# Allegro board 038RT-9068CJK8E-A100_0921.brd (continued)
## Placement (name value [footprint] x y rotation side) (continued)
NOREF#3813  -  []  636.29 356.16 0 top
NOREF#3814  -  []  280.89 272.21 0 top
NOREF#3815  -  []  288.07 263.45 90 top
NOREF#3816  -  []  187.57 282.86 90 top
NOREF#3817  -  []  411.29 261.03 90 top
NOREF#3818  -  []  197.76 21.33 90 top
NOREF#3819  -  []  100.6 42.16 0 top
NOREF#3820  -  []  593.97 200.62 0 top
NOREF#3821  -  []  288.89 260.98 0 top
NOREF#3822  -  []  355.4 270.11 90 top
NOREF#3823  -  []  436.2 280.96 0 top
NOREF#3824  -  []  25.22 390.94 0 top
NOREF#3825  -  []  594.79 181.71 90 top
NOREF#3826  -  []  483.33 426.36 0 top
NOREF#3827  -  []  577.38 149.4 90 top
NOREF#3828  -  []  232.2 203 0 top
NOREF#3829  -  []  -15.54 226.48 0 top
NOREF#3830  -  []  303.14 201.84 90 top
NOREF#3831  -  []  242.71 261.95 90 top
NOREF#3832  -  []  402.9 271 90 top
NOREF#3833  -  []  74.45 186.22 90 top
NOREF#3834  -  []  602.8 262.2 90 top
NOREF#3835  -  []  594.72 164.08 0 top
NOREF#3836  -  []  594.34 201.85 90 top
NOREF#3837  -  []  330.29 216.51 90 top
NOREF#3838  -  []  437.41 279.66 90 top
NOREF#3839  -  []  128.53 52.62 90 top
NOREF#3840  -  []  397.27 209.42 0 top
NOREF#3841  -  []  169.25 214.96 0 top
NOREF#3842  -  []  90.44 42.16 0 top
NOREF#3843  -  []  23.16 409.42 0 top
NOREF#3844  -  []  280.08 191.74 90 top
NOREF#3845  -  []  278.38 185.05 90 top
NOREF#3846  -  []  83.62 230.09 0 top
NOREF#3847  -  []  600.23 182.9 0 top
NOREF#3848  -  []  404.87 205.03 90 top
NOREF#3849  -  []  404.5 260.59 90 top
NOREF#3850  -  []  586.93 325.6 0 top
NOREF#3851  -  []  586.21 254.77 90 top
NOREF#3852  -  []  286.32 255.14 0 top
NOREF#3853  -  []  280.09 268.25 90 top
NOREF#3854  -  []  679.31 242.02 0 top
NOREF#3855  -  []  358.83 210.99 0 top
NOREF#3856  -  []  608.03 210.47 0 top
NOREF#3857  -  []  84.73 179.44 90 top
NOREF#3858  -  []  373.61 206.2 0 top
NOREF#3859  -  []  98.59 261.85 90 top
NOREF#3860  -  []  98.59 204.21 0 top
NOREF#3861  -  []  571.99 153.42 90 top
NOREF#3862  -  []  85.47 229.46 90 top
NOREF#3863  -  []  281.69 270.63 0 top
NOREF#3864  -  []  291.29 261.83 0 top
NOREF#3865  -  []  534.18 198.09 0 top
NOREF#3866  -  []  3.19 144.27 90 top
NOREF#3867  -  []  95.37 264.25 90 top
NOREF#3868  -  []  529.78 198.09 0 top
NOREF#3869  -  []  283.7 269.39 90 top
NOREF#3870  -  []  124.32 309.63 90 top
NOREF#3871  -  []  279.76 435.84 0 top
NOREF#3872  -  []  602.46 291.2 90 top
NOREF#3873  -  []  592.37 263 90 top
NOREF#3874  -  []  -6.71 236.6 0 top
NOREF#3875  -  []  407.27 198.65 90 top
NOREF#3876  -  []  89.71 290.09 0 top
NOREF#3877  -  []  440.32 226.73 0 top
NOREF#3878  -  []  586.91 264.28 0 top
NOREF#3879  -  []  673.94 182.5 90 top
NOREF#3880  -  []  617.08 159.77 90 top
NOREF#3881  -  []  324.92 195.32 90 top
NOREF#3882  -  []  283.67 213.42 0 top
NOREF#3883  -  []  77.86 262.82 0 top
NOREF#3884  -  []  99.04 289.44 90 top
NOREF#3885  -  []  594.39 202.65 90 top
NOREF#3886  -  []  409.3 200.59 90 top
NOREF#3887  -  []  403.09 230.11 90 top
NOREF#3888  -  []  98.22 208.59 90 top
NOREF#3889  -  []  412.89 212.23 90 top
NOREF#3890  -  []  431.53 49.56 0 top
NOREF#3891  -  []  283.29 200.23 0 top
NOREF#3892  -  []  88.6 209.4 90 top
NOREF#3893  -  []  164.39 221.16 90 top
NOREF#3894  -  []  395.53 435.84 0 top
NOREF#3895  -  []  281.27 208.62 0 top
NOREF#3896  -  []  201.75 416.84 0 top
NOREF#3897  -  []  509.48 35.81 90 top
NOREF#3898  -  []  282.91 280.37 90 top
NOREF#3899  -  []  619.49 136.53 90 top
NOREF#3900  -  []  437.41 227.79 90 top
NOREF#3901  -  []  599.17 267.45 90 top
NOREF#3902  -  []  593.61 259.41 0 top
NOREF#3903  -  []  49.36 427.88 0 top
NOREF#3904  -  []  284.64 242.02 90 top
NOREF#3905  -  []  405.69 205.05 90 top
NOREF#3906  -  []  232.75 96.61 90 top
NOREF#3907  -  []  521.24 57.23 90 top
NOREF#3908  -  []  684.26 237.77 90 top
NOREF#3909  -  []  408.89 265.85 90 top
NOREF#3910  -  []  606.37 199.43 90 top
NOREF#3911  -  []  600.01 261.81 0 top
NOREF#3912  -  []  402.07 266.22 0 top
NOREF#3913  -  []  220.9 431.02 90 top
NOREF#3914  -  []  519.43 447.34 90 top
NOREF#3915  -  []  612.96 343.99 90 top
NOREF#3916  -  []  113.22 322.4 90 top
NOREF#3917  -  []  603.99 265.01 0 top
NOREF#3918  -  []  288.87 199.45 90 top
NOREF#3919  -  []  398.68 432.22 90 top
NOREF#3920  -  []  404.91 204.21 0 top
NOREF#3921  -  []  98.17 204.62 0 top
NOREF#3922  -  []  560.46 438.62 0 top
NOREF#3923  -  []  122.18 54.82 90 top
NOREF#3924  -  []  166.78 46.1 90 top
NOREF#3925  -  []  104.07 266.89 90 top
NOREF#3926  -  []  210.01 436.97 90 top
NOREF#3927  -  []  155.98 47.24 90 top
NOREF#3928  -  []  544.43 50.35 90 top
NOREF#3929  -  []  580.88 314.58 0 top
NOREF#3930  -  []  404.91 209.81 0 top
NOREF#3931  -  []  494.78 417.96 90 top
NOREF#3932  -  []  599.6 259.8 90 top
NOREF#3933  -  []  88.33 230.11 0 top
NOREF#3934  -  []  672.31 242.02 0 top
NOREF#3935  -  []  426.57 420.16 90 top
NOREF#3936  -  []  436.21 222.34 0 top
NOREF#3937  -  []  284.87 259.45 90 top
NOREF#3938  -  []  673.94 21.21 0 top
NOREF#3939  -  []  682.83 157.73 90 top
NOREF#3940  -  []  60.63 246.01 90 top
NOREF#3941  -  []  556.62 149.86 90 top
NOREF#3942  -  []  348.72 29.84 90 top
NOREF#3943  -  []  65.5 253.27 0 top
NOREF#3944  -  []  286.57 221.66 0 top
NOREF#3945  -  []  227.8 203 0 top
NOREF#3946  -  []  602.8 211 90 top
NOREF#3947  -  []  572.63 309.63 90 top
NOREF#3948  -  []  343.8 442.9 90 top
NOREF#3949  -  []  625.1 279.17 90 top
NOREF#3950  -  []  59.69 376.57 0 top
NOREF#3951  -  []  125.08 448.42 0 top
NOREF#3952  -  []  633.37 284.63 90 top
NOREF#3953  -  []  97.01 209.83 0 top
NOREF#3954  -  []  51.24 168.38 0 top
NOREF#3955  -  []  89.79 269.83 90 top
NOREF#3956  -  []  607.87 17.54 0 top
NOREF#3957  -  []  280.5 199.8 90 top
NOREF#3958  -  []  373.61 263 90 top
NOREF#3959  -  []  257.73 50.36 90 top
NOREF#3960  -  []  284.47 205.42 0 top
NOREF#3961  -  []  246.53 213.54 0 top
NOREF#3962  -  []  364.78 204.62 0 top
NOREF#3963  -  []  605.57 261.05 90 top
NOREF#3964  -  []  357.48 29.51 0 top
NOREF#3965  -  []  91.56 289.46 90 top
NOREF#3966  -  []  407.7 203 90 top
NOREF#3967  -  []  324.92 218.18 90 top
NOREF#3968  -  []  127.36 153.92 0 top
NOREF#3969  -  []  99.37 265.83 90 top
NOREF#3970  -  []  593.39 253.67 0 top
NOREF#3971  -  []  337.85 30.8 0 top
NOREF#3972  -  []  289.69 211.41 0 top
NOREF#3973  -  []  130.67 319.79 90 top
NOREF#3974  -  []  519.43 438.07 90 top
NOREF#3975  -  []  -2.69 69.04 0 top
NOREF#3976  -  []  171.86 34.29 90 top
NOREF#3977  -  []  66.53 135 0 top
NOREF#3978  -  []  276.81 280.37 90 top
NOREF#3979  -  []  409.71 201.81 0 top
NOREF#3980  -  []  178.5 222.56 90 top
NOREF#3981  -  []  7.76 146.3 90 top
NOREF#3982  -  []  404.89 207.45 90 top
NOREF#3983  -  []  323.86 27.31 90 top
NOREF#3984  -  []  648.43 22.49 90 top
NOREF#3985  -  []  313.95 454.91 0 top
NOREF#3986  -  []  599.21 272.21 0 top
NOREF#3987  -  []  173.01 260.48 0 top
NOREF#3988  -  []  34.34 207.92 90 top
NOREF#3989  -  []  -13.71 271.4 90 top
NOREF#3990  -  []  45.67 270.37 90 top
NOREF#3991  -  []  584.3 240.8 90 top
NOREF#3992  -  []  598.03 309.63 90 top
NOREF#3993  -  []  279.67 211.02 0 top
NOREF#3994  -  []  411.29 209.05 90 top
NOREF#3995  -  []  598.87 44.09 90 top
NOREF#3996  -  []  287.7 263 90 top
NOREF#3997  -  []  66.53 154.05 90 top
NOREF#3998  -  []  412.35 285.56 90 top
NOREF#3999  -  []  86.22 159.77 90 top
NOREF#4000  -  []  91.8 266.99 90 top
NOREF#4001  -  []  488.58 420.16 90 top
NOREF#4002  -  []  290.07 208.62 0 top
NOREF#4003  -  []  339.41 433.78 0 top
NOREF#4004  -  []  292.07 209.85 90 top
NOREF#4005  -  []  366.3 205.49 90 top
NOREF#4006  -  []  162.2 425.5 0 top
NOREF#4007  -  []  89.79 209.83 90 top
NOREF#4008  -  []  388.15 283.37 0 top
NOREF#4009  -  []  519.43 419.02 90 top
NOREF#4010  -  []  370.21 92.61 90 top
NOREF#4011  -  []  235.4 263 90 top
NOREF#4012  -  []  63.82 253.36 0 top
NOREF#4013  -  []  95.8 264.59 90 top
NOREF#4014  -  []  238.67 285.35 90 top
NOREF#4015  -  []  155.98 32 90 top
NOREF#4016  -  []  291.27 209.03 90 top
NOREF#4017  -  []  407.67 267.02 0 top
NOREF#4018  -  []  97.37 263.02 0 top
NOREF#4019  -  []  237.23 204.07 0 top
NOREF#4020  -  []  498.27 276.1 0 top
NOREF#4021  -  []  634.88 197.43 90 top
NOREF#4022  -  []  97.37 207.82 0 top
NOREF#4023  -  []  445.71 21.33 0 top
NOREF#4024  -  []  245.04 271.33 90 top
NOREF#4025  -  []  291.29 201.83 0 top
NOREF#4026  -  []  238.83 201.77 90 top
NOREF#4027  -  []  62.72 331.72 90 top
NOREF#4028  -  []  406.9 203 90 top
NOREF#4029  -  []  96.13 230.41 90 top
NOREF#4030  -  []  337.7 424.48 90 top
NOREF#4031  -  []  12.6 391.36 0 top
NOREF#4032  -  []  611.36 338.45 90 top
NOREF#4033  -  []  96.13 229.19 90 top
NOREF#4034  -  []  282.79 326.54 90 top
NOREF#4035  -  []  106.25 211.18 90 top
NOREF#4036  -  []  88.57 204.62 0 top
NOREF#4037  -  []  409.69 203.43 90 top
NOREF#4038  -  []  -2.69 195.4 0 top
NOREF#4039  -  []  14.75 13.02 90 top
NOREF#4040  -  []  104.9 206.92 90 top
NOREF#4041  -  []  597.61 267.41 0 top
NOREF#4042  -  []  325.22 266.93 0 top
NOREF#4043  -  []  615.48 129.74 0 top
NOREF#4044  -  []  292.07 269.85 90 top
NOREF#4045  -  []  145.8 333.72 0 top
NOREF#4046  -  []  94.1 230.41 90 top
NOREF#4047  -  []  600.37 205.42 0 top
NOREF#4048  -  []  230 263 0 top
NOREF#4049  -  []  88.99 270.63 0 top
NOREF#4050  -  []  503.67 263.68 0 top
NOREF#4051  -  []  365.04 202.32 90 top
NOREF#4052  -  []  65.5 253.27 0 top
NOREF#4053  -  []  46.34 380.04 90 top
NOREF#4054  -  []  157.3 305.22 0 top
NOREF#4055  -  []  407.29 269.03 0 top
NOREF#4056  -  []  582.02 160.02 90 top
NOREF#4057  -  []  683.79 89.79 90 top
NOREF#4058  -  []  129.87 46.88 0 top
NOREF#4059  -  []  435.3 226.73 0 top
NOREF#4060  -  []  28.43 59.06 90 top
NOREF#4061  -  []  92.57 159.77 90 top
NOREF#4062  -  []  392.3 279.22 0 top
NOREF#4063  -  []  598.03 316.87 90 top
NOREF#4064  -  []  357.02 27.91 90 top
NOREF#4065  -  []  363.71 418.39 90 top
NOREF#4066  -  []  281.71 261.81 0 top
NOREF#4067  -  []  119.57 325.6 0 top
NOREF#4068  -  []  290.87 211.02 0 top
NOREF#4069  -  []  400.89 204.23 90 top
NOREF#4070  -  []  88.19 209.83 90 top
NOREF#4071  -  []  412.11 201.83 0 top
NOREF#4072  -  []  529.78 232.05 0 top
NOREF#4073  -  []  600.81 213.01 0 top
NOREF#4074  -  []  246.3 205.49 90 top
NOREF#4075  -  []  603.97 204.25 90 top
NOREF#4076  -  []  458.3 181.22 90 top
NOREF#4077  -  []  59.69 371.17 90 top
NOREF#4078  -  []  90.59 204.23 0 top
NOREF#4079  -  []  594 258.2 90 top
NOREF#4080  -  []  284.44 283.23 90 top
NOREF#4081  -  []  99.69 289.46 90 top
NOREF#4082  -  []  6.8 325.12 90 top
NOREF#4083  -  []  537.38 185.39 90 top
NOREF#4084  -  []  142.91 425.85 0 top
NOREF#4085  -  []  94.61 209.03 0 top
NOREF#4086  -  []  357.85 225.12 0 top
NOREF#4087  -  []  19.99 389.3 0 top
NOREF#4088  -  []  87 200.59 90 top
NOREF#4089  -  []  88 289.19 90 top
NOREF#4090  -  []  288.89 265.85 90 top
NOREF#4091  -  []  43.47 448.75 90 top
NOREF#4092  -  []  594.14 182.9 0 top
NOREF#4093  -  []  282.9 269.39 90 top
NOREF#4094  -  []  97.01 269.83 0 top
NOREF#4095  -  []  598.8 206.2 90 top
NOREF#4096  -  []  502.92 453.01 0 top
NOREF#4097  -  []  294.28 183.91 90 top
NOREF#4098  -  []  280.09 208.25 90 top
NOREF#4099  -  []  286.07 272.62 0 top
NOREF#4100  -  []  337.67 193.67 0 top
NOREF#4101  -  []  324.92 194.67 90 top
NOREF#4102  -  []  603.97 261.05 90 top
NOREF#4103  -  []  483.45 29.72 90 top
NOREF#4104  -  []  506.73 445.44 0 top
NOREF#4105  -  []  84.82 289.44 90 top
NOREF#4106  -  []  290.9 211.8 90 top
NOREF#4107  -  []  450.3 189.22 90 top
NOREF#4108  -  []  441.21 284.38 90 top
NOREF#4109  -  []  34.34 226.97 90 top
NOREF#4110  -  []  625.1 219.17 90 top
NOREF#4111  -  []  95.39 259.45 90 top
NOREF#4112  -  []  402.9 200.59 90 top
NOREF#4113  -  []  87.68 290.09 0 top
NOREF#4114  -  []  278.79 378.54 0 top
NOREF#4115  -  []  600.77 211.43 90 top
NOREF#4116  -  []  118.18 29.42 0 top
NOREF#4117  -  []  602 200.59 90 top
NOREF#4118  -  []  19.69 387.3 90 top
NOREF#4119  -  []  385.96 215.24 90 top
NOREF#4120  -  []  593.61 260.23 0 top
NOREF#4121  -  []  615.17 269.12 90 top
NOREF#4122  -  []  593.59 203.45 90 top
NOREF#4123  -  []  605.59 261.85 90 top
NOREF#4124  -  []  517.23 231.97 0 top
NOREF#4125  -  []  139.3 53.82 90 top
NOREF#4126  -  []  488.58 425.56 0 top
NOREF#4127  -  []  602.77 209.42 0 top
NOREF#4128  -  []  326.3 273.68 0 top
NOREF#4129  -  []  89.71 230.09 0 top
NOREF#4130  -  []  328.18 27.56 0 top
NOREF#4131  -  []  615.15 249.07 90 top
NOREF#4132  -  []  593.59 263.45 90 top
NOREF#4133  -  []  286.1 199.79 90 top
NOREF#4134  -  []  509.48 28.57 90 top
NOREF#4135  -  []  65.5 193.27 0 top
NOREF#4136  -  []  88.21 201.81 0 top
NOREF#4137  -  []  290.47 200.2 90 top
NOREF#4138  -  []  601.59 201.83 0 top
NOREF#4139  -  []  286.32 195.14 0 top
NOREF#4140  -  []  584.24 255.92 90 top
NOREF#4141  -  []  570.9 279.17 0 top
NOREF#4142  -  []  276.81 279.15 90 top
NOREF#4143  -  []  347.95 34.29 90 top
NOREF#4144  -  []  436.51 222.67 0 top
NOREF#4145  -  []  336.65 254.8 0 top
NOREF#4146  -  []  514.56 35.81 90 top
NOREF#4147  -  []  286.1 259.79 90 top
NOREF#4148  -  []  288.47 208.62 0 top
NOREF#4149  -  []  408.89 203.43 90 top
NOREF#4150  -  []  367.28 213.54 0 top
NOREF#4151  -  []  285.59 222.09 0 top
NOREF#4152  -  []  358.53 269.14 90 top
NOREF#4153  -  []  286.07 267.02 0 top
NOREF#4154  -  []  111.62 159.77 90 top
NOREF#4155  -  []  594.79 182.91 0 top
NOREF#4156  -  []  13.56 429.93 90 top
NOREF#4157  -  []  336.67 206.1 90 top
NOREF#4158  -  []  595.17 209.03 90 top
NOREF#4159  -  []  178.5 216.36 90 top
NOREF#4160  -  []  290.9 262.2 90 top
NOREF#4161  -  []  440.18 53.56 90 top
NOREF#4162  -  []  608.78 270.47 0 top
NOREF#4163  -  []  90.59 209.83 90 top
NOREF#4164  -  []  582.4 205.96 90 top
NOREF#4165  -  []  435.3 282.67 0 top
NOREF#4166  -  []  189.31 434.8 90 top
NOREF#4167  -  []  207.97 431.58 90 top
NOREF#4168  -  []  98.59 204.25 90 top
NOREF#4169  -  []  94.47 314.58 0 top
NOREF#4170  -  []  100.97 264.23 90 top
NOREF#4171  -  []  282.1 271 90 top
NOREF#4172  -  []  597.57 263.43 90 top
NOREF#4173  -  []  163.91 416.38 90 top
NOREF#4174  -  []  602.59 182.01 90 top
NOREF#4175  -  []  186.57 260.48 0 top
NOREF#4176  -  []  575.29 21.05 0 top
NOREF#4177  -  []  594.77 265.42 0 top
NOREF#4178  -  []  493.48 28.83 0 top
NOREF#4179  -  []  277.3 272.6 90 top
NOREF#4180  -  []  80.63 312.42 90 top
NOREF#4181  -  []  593.59 267.45 90 top
NOREF#4182  -  []  612.63 314.58 0 top
NOREF#4183  -  []  631.5 364.87 90 top
NOREF#4184  -  []  88.57 265.42 0 top
NOREF#4185  -  []  591.21 207.43 0 top
NOREF#4186  -  []  398.1 259.02 90 top
NOREF#4187  -  []  408.89 260.98 0 top
NOREF#4188  -  []  690.26 229.53 90 top
NOREF#4189  -  []  298.76 144.84 0 top
NOREF#4190  -  []  543.03 57.4 0 top
NOREF#4191  -  []  608.78 213.07 90 top
NOREF#4192  -  []  602.41 269.83 0 top
NOREF#4193  -  []  265.96 215.24 90 top
NOREF#4194  -  []  597.61 207.41 0 top
NOREF#4195  -  []  66.53 157.86 0 top
NOREF#4196  -  []  99.41 269.03 90 top
NOREF#4197  -  []  514.03 219.56 0 top
NOREF#4198  -  []  325.22 244.07 0 top
NOREF#4199  -  []  191.05 216.36 0 top
NOREF#4200  -  []  86.97 203.82 0 top
NOREF#4201  -  []  508.45 443.13 90 top
NOREF#4202  -  []  169.62 416.38 90 top
NOREF#4203  -  []  604.79 264.23 0 top
NOREF#4204  -  []  399.83 438.04 0 top
NOREF#4205  -  []  91.8 205.39 90 top
NOREF#4206  -  []  105.27 159.77 90 top
NOREF#4207  -  []  52.64 159.13 90 top
NOREF#4208  -  []  97.79 269.01 0 top
NOREF#4209  -  []  293.67 44.59 90 top
NOREF#4210  -  []  599.6 270.99 90 top
NOREF#4211  -  []  373.61 210.11 90 top
NOREF#4212  -  []  620 226.22 0 top
NOREF#4213  -  []  21.46 386.74 90 top
NOREF#4214  -  []  289.69 209.01 0 top
NOREF#4215  -  []  590.08 152.6 0 top
NOREF#4216  -  []  282.1 209.4 90 top
NOREF#4217  -  []  272.13 263.55 90 top
NOREF#4218  -  []  679.31 222.97 0 top
NOREF#4219  -  []  594.39 201.85 90 top
NOREF#4220  -  []  654.31 220.6 90 top
NOREF#4221  -  []  537.38 204.44 90 top
NOREF#4222  -  []  166.78 53.34 90 top
NOREF#4223  -  []  371.96 50.36 90 top
NOREF#4224  -  []  593.62 218.2 90 top
NOREF#4225  -  []  150.8 133.72 90 top
NOREF#4226  -  []  367.28 273.53 0 top
NOREF#4227  -  []  603.17 205.83 90 top
NOREF#4228  -  []  278.1 273.42 0 top
NOREF#4229  -  []  491.74 449.83 0 top
NOREF#4230  -  []  235.89 290.13 0 top
NOREF#4231  -  []  351.22 433.78 0 top
NOREF#4232  -  []  383.3 286.22 0 top
NOREF#4233  -  []  81.47 346.56 0 top
NOREF#4234  -  []  151.71 282.81 90 top
NOREF#4235  -  []  627.76 261.62 0 top
NOREF#4236  -  []  411.29 201.83 0 top
NOREF#4237  -  []  246.53 205.92 0 top
NOREF#4238  -  []  52.64 389.29 0 top
NOREF#4239  -  []  201.26 21.33 0 top
NOREF#4240  -  []  284.5 209.4 90 top
NOREF#4241  -  []  291.27 209.83 90 top
NOREF#4242  -  []  51.55 235.66 90 top
NOREF#4243  -  []  570.9 279.17 90 top
NOREF#4244  -  []  211.55 423.14 90 top
NOREF#4245  -  []  230 203 0 top
NOREF#4246  -  []  747.89 56.17 90 top
NOREF#4247  -  []  91.77 200.62 0 top
NOREF#4248  -  []  89.79 261.03 90 top
NOREF#4249  -  []  601.2 273.4 90 top
NOREF#4250  -  []  196.26 32.38 90 top
NOREF#4251  -  []  62.72 314.58 0 top
NOREF#4252  -  []  508.62 51.44 0 top
NOREF#4253  -  []  285.69 205.85 90 top
NOREF#4254  -  []  673.94 23.75 90 top
NOREF#4255  -  []  281.71 210.61 0 top
NOREF#4256  -  []  655.45 386.46 90 top
NOREF#4257  -  []  591.21 265.03 0 top
NOREF#4258  -  []  404.87 199.45 90 top
NOREF#4259  -  []  403.67 273.42 0 top
NOREF#4260  -  []  405.69 204.25 90 top
NOREF#4261  -  []  405.69 266.65 90 top
NOREF#4262  -  []  593.59 267.41 0 top
NOREF#4263  -  []  95.63 289.46 90 top
NOREF#4264  -  []  279.31 267.41 0 top
NOREF#4265  -  []  429.66 436.45 90 top
NOREF#4266  -  []  279.31 263.41 0 top
NOREF#4267  -  []  412.11 261.83 0 top
NOREF#4268  -  []  293.69 201.05 90 top
NOREF#4269  -  []  254.99 420.16 90 top
NOREF#4270  -  []  84.62 150.04 90 top
NOREF#4271  -  []  601.59 206.61 0 top
NOREF#4272  -  []  437.4 226.41 90 top
NOREF#4273  -  []  280.89 199.43 0 top
NOREF#4274  -  []  399.67 211.82 0 top
NOREF#4275  -  []  417.52 190.01 90 top
NOREF#4276  -  []  426.57 417.96 90 top
NOREF#4277  -  []  476.74 423.14 90 top
NOREF#4278  -  []  88.6 206.2 90 top
NOREF#4279  -  []  600.57 332.36 90 top
NOREF#4280  -  []  358.53 211.24 0 top
NOREF#4281  -  []  292.11 201.83 0 top
NOREF#4282  -  []  627.75 284.72 90 top
NOREF#4283  -  []  594.39 261.85 90 top
NOREF#4284  -  []  91.39 273.03 0 top
NOREF#4285  -  []  342.24 47.24 90 top
NOREF#4286  -  []  104.26 290.41 90 top
NOREF#4287  -  []  11.29 269.88 0 top
NOREF#4288  -  []  357.05 201.6 90 top
NOREF#4289  -  []  90.2 264.6 90 top
NOREF#4290  -  []  89.77 204.23 90 top
NOREF#4291  -  []  670.26 275.28 0 top
NOREF#4292  -  []  599.19 272.21 0 top
NOREF#4293  -  []  554.67 22.23 90 top
NOREF#4294  -  []  325.24 252.47 90 top
NOREF#4295  -  []  293.67 201.03 90 top
NOREF#4296  -  []  348.72 48.9 90 top
NOREF#4297  -  []  609.08 208.62 90 top
NOREF#4298  -  []  115.3 280.48 0 top
NOREF#4299  -  []  507.11 437.01 90 top
NOREF#4300  -  []  3.37 399.67 0 top
NOREF#4301  -  []  282.1 269.39 90 top
NOREF#4302  -  []  -57.3 253.42 90 top
NOREF#4303  -  []  593.58 314.58 0 top
NOREF#4304  -  []  98.59 199.45 90 top
NOREF#4305  -  []  618.14 24.76 0 top
NOREF#4306  -  []  14.11 58.67 0 top
NOREF#4307  -  []  436.2 220.96 0 top
NOREF#4308  -  []  417.52 250.01 90 top
NOREF#4309  -  []  201.73 378.54 0 top
NOREF#4310  -  []  92.17 269.85 90 top
NOREF#4311  -  []  566.28 149.61 90 top
NOREF#4312  -  []  89.81 270.61 0 top
NOREF#4313  -  []  115.95 280.49 0 top
NOREF#4314  -  []  519.64 35.81 90 top
NOREF#4315  -  []  325.22 255.5 0 top
NOREF#4316  -  []  336.8 19.61 0 top
NOREF#4317  -  []  437.4 282.34 90 top
NOREF#4318  -  []  411.27 271.43 90 top
NOREF#4319  -  []  591.94 283.47 90 top
NOREF#4320  -  []  592.79 269.85 90 top
NOREF#4321  -  []  602 202.2 90 top
NOREF#4322  -  []  536.05 424.45 90 top
NOREF#4323  -  []  604.77 201.05 90 top
NOREF#4324  -  []  359.73 263.62 0 top
NOREF#4325  -  []  88.17 257.85 90 top
NOREF#4326  -  []  334.02 426.39 0 top
NOREF#4327  -  []  323.23 32.26 0 top
NOREF#4328  -  []  288.89 200.98 0 top
NOREF#4329  -  []  388.15 249.07 90 top
NOREF#4330  -  []  97.32 153.24 0 top
NOREF#4331  -  []  181.25 443.92 0 top
NOREF#4332  -  []  597.59 264.25 90 top
NOREF#4333  -  []  189.51 50.36 90 top
NOREF#4334  -  []  602.59 180.8 90 top
NOREF#4335  -  []  436.51 226.73 0 top
NOREF#4336  -  []  531.98 185.39 0 top
NOREF#4337  -  []  627.24 267.08 90 top
NOREF#4338  -  []  412.2 278.14 0 top
NOREF#4339  -  []  89.26 141.22 0 top
NOREF#4340  -  []  588.49 263.5 90 top
NOREF#4341  -  []  418.18 378.54 0 top
NOREF#4342  -  []  597.57 202.63 90 top
NOREF#4343  -  []  63.82 188.15 0 top
NOREF#4344  -  []  393.03 265.66 90 top
NOREF#4345  -  []  93.77 267.45 90 top
NOREF#4346  -  []  402.49 201.83 0 top
NOREF#4347  -  []  436.2 282.99 0 top
NOREF#4348  -  []  605.98 325.6 0 top
NOREF#4349  -  []  687.4 176.66 90 top
NOREF#4350  -  []  86.61 261.81 0 top
NOREF#4351  -  []  603.99 269.05 90 top
NOREF#4352  -  []  325.24 263.9 90 top
NOREF#4353  -  []  88.17 209.03 90 top
NOREF#4354  -  []  576.06 199.57 90 top
NOREF#4355  -  []  284.94 284.18 90 top
NOREF#4356  -  []  596.01 205.03 0 top
NOREF#4357  -  []  105.27 309.63 90 top
NOREF#4358  -  []  599.19 204.23 0 top
NOREF#4359  -  []  290.9 263.8 90 top
NOREF#4360  -  []  190.3 177.22 90 top
NOREF#4361  -  []  275.66 279.4 90 top
NOREF#4362  -  []  70.21 137.16 90 top
NOREF#4363  -  []  513.71 447.34 90 top
NOREF#4364  -  []  4.29 265.98 0 top
NOREF#4365  -  []  337.68 41.15 0 top
NOREF#4366  -  []  105.79 289.46 90 top
NOREF#4367  -  []  411.29 201.03 90 top
NOREF#4368  -  []  88.17 197.83 90 top
NOREF#4369  -  []  603.97 209.85 90 top
NOREF#4370  -  []  291.27 271.43 90 top
NOREF#4371  -  []  403.29 200.23 0 top
NOREF#4372  -  []  276.81 284.18 90 top
NOREF#4373  -  []  52.64 166.73 0 top
NOREF#4374  -  []  602.39 265.03 0 top
NOREF#4375  -  []  115.62 279.58 90 top
NOREF#4376  -  []  606.65 180.8 90 top
NOREF#4377  -  []  283.27 258.65 90 top
NOREF#4378  -  []  407.7 209.4 90 top
NOREF#4379  -  []  409.69 270.61 0 top
NOREF#4380  -  []  459.22 439.19 0 top
NOREF#4381  -  []  605.32 224.37 90 top
NOREF#4382  -  []  268.15 189.07 90 top
NOREF#4383  -  []  16.37 405.76 90 top
NOREF#4384  -  []  88.19 263.41 0 top
NOREF#4385  -  []  407.7 263 90 top
NOREF#4386  -  []  410.9 263.8 90 top
NOREF#4387  -  []  599.6 266.2 90 top
NOREF#4388  -  []  599.6 206.2 90 top
NOREF#4389  -  []  104.51 268.11 0 top
NOREF#4390  -  []  404.89 209.03 0 top
NOREF#4391  -  []  95.77 271.82 0 top
NOREF#4392  -  []  110.02 153.24 0 top
NOREF#4393  -  []  507.11 432.44 90 top
NOREF#4394  -  []  286.49 209.03 90 top
NOREF#4395  -  []  418.43 216.23 0 top
NOREF#4396  -  []  603.99 208.25 90 top
NOREF#4397  -  []  439.11 218.61 0 top
NOREF#4398  -  []  87.39 210.65 90 top
NOREF#4399  -  []  602.77 207.02 0 top
NOREF#4400  -  []  88.99 272.23 90 top
NOREF#4401  -  []  11.29 238.12 0 top
NOREF#4402  -  []  290.49 201.03 90 top
NOREF#4403  -  []  38.32 458.11 0 top
NOREF#4404  -  []  560.98 441.92 0 top
NOREF#4405  -  []  21.21 381.99 0 top
NOREF#4406  -  []  341.01 428.29 90 top
NOREF#4407  -  []  598.2 241.7 90 top
NOREF#4408  -  []  365.04 209.94 90 top
NOREF#4409  -  []  247.28 205.92 0 top
NOREF#4410  -  []  620.12 160.02 90 top
NOREF#4411  -  []  621.19 129.74 0 top
NOREF#4412  -  []  593.97 271.82 0 top
NOREF#4413  -  []  594.79 242.91 0 top
NOREF#4414  -  []  235.89 230.13 0 top
NOREF#4415  -  []  127.13 241.79 0 top
NOREF#4416  -  []  88.57 267.82 0 top
NOREF#4417  -  []  512.11 415.37 0 top
NOREF#4418  -  []  279.7 262.2 90 top
NOREF#4419  -  []  596.49 180.8 90 top
NOREF#4420  -  []  37.24 434.4 90 top
NOREF#4421  -  []  580.58 325.6 0 top
NOREF#4422  -  []  329.32 437.01 90 top
NOREF#4423  -  []  365.33 265.91 0 top
NOREF#4424  -  []  596.01 264.21 0 top
NOREF#4425  -  []  414.73 190.4 0 top
NOREF#4426  -  []  380.04 144.84 0 top
NOREF#4427  -  []  603.99 200.25 90 top
NOREF#4428  -  []  411.31 213.01 0 top
NOREF#4429  -  []  340.75 38.37 90 top
NOREF#4430  -  []  590.4 182.01 90 top
NOREF#4431  -  []  711.28 34.65 90 top
NOREF#4432  -  []  602 260.59 90 top
NOREF#4433  -  []  188.77 266.69 0 top
NOREF#4434  -  []  92.97 212.25 90 top
NOREF#4435  -  []  19.97 399.67 90 top
NOREF#4436  -  []  91.8 330.83 0 top
NOREF#4437  -  []  357.48 25.07 0 top
NOREF#4438  -  []  59.69 150.81 90 top
NOREF#4439  -  []  352.2 210.11 0 top
NOREF#4440  -  []  499.32 28.57 90 top
NOREF#4441  -  []  394.53 332.54 90 top
NOREF#4442  -  []  280.55 223.86 0 top
NOREF#4443  -  []  596.49 240.8 90 top
NOREF#4444  -  []  596.01 265.03 0 top
NOREF#4445  -  []  177.04 419.4 90 top
NOREF#4446  -  []  238.83 261.77 90 top
NOREF#4447  -  []  99.39 205.01 0 top
NOREF#4448  -  []  602.59 240.8 90 top
NOREF#4449  -  []  72.02 257.22 90 top
NOREF#4450  -  []  288.5 201.39 90 top
NOREF#4451  -  []  332.5 416.31 90 top
NOREF#4452  -  []  169.25 227.37 0 top
NOREF#4453  -  []  124.32 159.77 90 top
NOREF#4454  -  []  436.51 280.64 0 top
NOREF#4455  -  []  13.26 17.45 90 top
NOREF#4456  -  []  441.22 225.76 90 top
NOREF#4457  -  []  87.8 209.4 90 top
NOREF#4458  -  []  204.61 216.36 0 top
NOREF#4459  -  []  94.43 230.11 0 top
NOREF#4460  -  []  95.41 265.81 0 top
NOREF#4461  -  []  94.59 207.41 0 top
NOREF#4462  -  []  603.19 201.83 0 top
NOREF#4463  -  []  153.22 240.39 0 top
NOREF#4464  -  []  105.26 207.35 90 top
NOREF#4465  -  []  240.57 204.97 90 top
NOREF#4466  -  []  342.05 227.94 90 top
NOREF#4467  -  []  333.69 415.37 0 top
NOREF#4468  -  []  283.7 211 90 top
NOREF#4469  -  []  373.81 39.72 0 top
NOREF#4470  -  []  406.47 268.25 90 top
NOREF#4471  -  []  517.83 434.42 90 top
NOREF#4472  -  []  619.49 140.59 0 top
NOREF#4473  -  []  100.97 201.83 90 top
NOREF#4474  -  []  79.87 136.91 90 top
NOREF#4475  -  []  623.58 225.14 0 top
NOREF#4476  -  []  158.28 435.1 0 top
NOREF#4477  -  []  599.19 208.23 0 top
NOREF#4478  -  []  283.31 213.03 0 top
NOREF#4479  -  []  411.29 269.05 90 top
NOREF#4480  -  []  410.87 201.42 0 top
NOREF#4481  -  []  77.56 262.57 0 top
NOREF#4482  -  []  601.2 211.8 90 top
NOREF#4483  -  []  27.76 392.59 0 top
NOREF#4484  -  []  95.41 205.81 0 top
NOREF#4485  -  []  608.78 208.37 90 top
NOREF#4486  -  []  360.31 442.9 0 top
NOREF#4487  -  []  151.93 427.5 90 top
NOREF#4488  -  []  232.75 92.61 90 top
NOREF#4489  -  []  27.84 468.25 0 top
NOREF#4490  -  []  282.91 282.96 90 top
NOREF#4491  -  []  279.27 271.45 90 top
NOREF#4492  -  []  10.39 276.87 0 top
NOREF#4493  -  []  6.8 89.79 90 top
NOREF#4494  -  []  285.67 209.85 90 top
NOREF#4495  -  []  408.91 201.81 0 top
NOREF#4496  -  []  393.76 201.6 90 top
NOREF#4497  -  []  90.61 273.01 0 top
NOREF#4498  -  []  609.76 129.74 0 top
NOREF#4499  -  []  591.21 209.83 0 top
NOREF#4500  -  []  278.34 223.23 90 top
NOREF#4501  -  []  588.37 180.8 90 top
NOREF#4502  -  []  286.49 210.61 0 top
NOREF#4503  -  []  57.91 210 90 top
NOREF#4504  -  []  403.29 270.63 0 top
NOREF#4505  -  []  595.17 271.43 90 top
NOREF#4506  -  []  287.31 206.63 0 top
NOREF#4507  -  []  408.89 266.65 90 top
NOREF#4508  -  []  400.09 268.25 90 top
NOREF#4509  -  []  254.99 417.96 90 top
NOREF#4510  -  []  354.63 62.08 0 top
NOREF#4511  -  []  633.37 223.23 90 top
NOREF#4512  -  []  104.79 206.48 90 top
NOREF#4513  -  []  599.6 203 90 top
NOREF#4514  -  []  292.59 248.81 90 top
NOREF#4515  -  []  174.78 23.16 90 top
NOREF#4516  -  []  436.2 218.93 0 top
NOREF#4517  -  []  542.4 426.65 90 top
NOREF#4518  -  []  405.75 225.56 90 top
NOREF#4519  -  []  59.69 161.33 90 top
NOREF#4520  -  []  50.39 390.09 0 top
NOREF#4521  -  []  79.6 253.22 0 top
NOREF#4522  -  []  232.2 270.11 0 top
NOREF#4523  -  []  566.91 319.15 90 top
NOREF#4524  -  []  669.23 189.9 0 top
NOREF#4525  -  []  409.71 208.23 0 top
NOREF#4526  -  []  625.2 143.87 90 top
NOREF#4527  -  []  405.69 206.65 90 top
NOREF#4528  -  []  97.83 269.81 0 top
NOREF#4529  -  []  289.71 261.81 0 top
NOREF#4530  -  []  286.1 204.6 90 top
NOREF#4531  -  []  683.79 105.03 90 top
NOREF#4532  -  []  292.47 267.82 0 top
NOREF#4533  -  []  97.01 289.44 90 top
NOREF#4534  -  []  601.17 263.82 0 top
NOREF#4535  -  []  20.34 283.52 0 top
NOREF#4536  -  []  408.89 272.23 90 top
NOREF#4537  -  []  625.03 322.4 90 top
NOREF#4538  -  []  559.93 319.15 90 top
NOREF#4539  -  []  409.69 271.41 0 top
NOREF#4540  -  []  440.01 285.03 0 top
NOREF#4541  -  []  66.57 246.05 90 top
NOREF#4542  -  []  574.97 251.05 90 top
NOREF#4543  -  []  280.88 284.18 90 top
NOREF#4544  -  []  98.17 201.42 0 top
NOREF#4545  -  []  87.8 269.39 90 top
NOREF#4546  -  []  290.87 271.02 0 top
NOREF#4547  -  []  370.03 213.54 90 top
NOREF#4548  -  []  338.32 193.67 0 top
NOREF#4549  -  []  605.98 322.4 90 top
NOREF#4550  -  []  311.99 447.45 0 top
NOREF#4551  -  []  443.2 144.61 0 top
NOREF#4552  -  []  34.34 207.92 90 top
NOREF#4553  -  []  72.02 197.22 90 top
NOREF#4554  -  []  253.61 270.11 90 top
NOREF#4555  -  []  598.39 266.63 90 top
NOREF#4556  -  []  592.37 201.42 0 top
NOREF#4557  -  []  85.81 212.23 0 top
NOREF#4558  -  []  87.39 267.43 90 top
NOREF#4559  -  []  291.29 209.05 90 top
NOREF#4560  -  []  84.27 230.11 0 top
NOREF#4561  -  []  602.77 270.22 0 top
NOREF#4562  -  []  603.19 261.83 0 top
NOREF#4563  -  []  230.19 44.59 90 top
NOREF#4564  -  []  79.87 337.82 90 top
NOREF#4565  -  []  279.06 36.11 0 top
NOREF#4566  -  []  347.8 270.11 0 top
NOREF#4567  -  []  595.17 261.03 90 top
NOREF#4568  -  []  599.6 198.19 90 top
NOREF#4569  -  []  633.37 219.42 90 top
NOREF#4570  -  []  340.12 426.39 90 top
NOREF#4571  -  []  59.69 389.29 0 top
NOREF#4572  -  []  278.85 220.37 90 top
NOREF#4573  -  []  594.8 267 90 top
NOREF#4574  -  []  342.05 262.23 90 top
NOREF#4575  -  []  187.57 286.06 0 top
NOREF#4576  -  []  82.91 160.02 90 top
NOREF#4577  -  []  202.81 282.86 90 top
NOREF#4578  -  []  601.17 267.02 0 top
NOREF#4579  -  []  407.29 209.03 90 top
NOREF#4580  -  []  88.19 201.03 90 top
NOREF#4581  -  []  94.17 343.36 90 top
NOREF#4582  -  []  410.87 207.82 0 top
NOREF#4583  -  []  131.55 58.67 0 top
NOREF#4584  -  []  598.8 268.6 90 top
NOREF#4585  -  []  191.97 272.9 90 top
NOREF#4586  -  []  86.97 262.22 0 top
NOREF#4587  -  []  276.31 279.42 90 top
NOREF#4588  -  []  89.79 205.01 0 top
NOREF#4589  -  []  591.57 267.82 0 top
NOREF#4590  -  []  237.85 225.12 0 top
NOREF#4591  -  []  247.06 443.79 0 top
NOREF#4592  -  []  89.26 137.16 90 top
NOREF#4593  -  []  692.13 279.13 90 top
NOREF#4594  -  []  358.53 261.52 90 top
NOREF#4595  -  []  27.41 386.28 90 top
NOREF#4596  -  []  593.2 259.8 90 top
NOREF#4597  -  []  88 230.41 90 top
NOREF#4598  -  []  285.67 258.65 90 top
NOREF#4599  -  []  354.59 442.9 0 top
NOREF#4600  -  []  588.69 242.91 0 top
NOREF#4601  -  []  595.57 211.82 0 top
NOREF#4602  -  []  554.27 230.65 90 top
NOREF#4603  -  []  626.47 207.34 0 top
NOREF#4604  -  []  604.01 273.81 0 top
NOREF#4605  -  []  153.74 453.5 0 top
NOREF#4606  -  []  598.85 241.71 90 top
NOREF#4607  -  []  326.89 239.39 0 top
NOREF#4608  -  []  273.03 213.53 90 top
NOREF#4609  -  []  537.38 198.09 90 top
NOREF#4610  -  []  287.27 200.25 90 top
NOREF#4611  -  []  238.83 203.37 0 top
NOREF#4612  -  []  603.6 211 90 top
NOREF#4613  -  []  336.65 278.36 0 top
NOREF#4614  -  []  295.94 190.79 0 top
NOREF#4615  -  []  91.8 268.6 90 top
NOREF#4616  -  []  286.1 268.6 90 top
NOREF#4617  -  []  78.61 198.12 0 top
NOREF#4618  -  []  599.21 207.41 0 top
NOREF#4619  -  []  612.33 322.4 90 top
NOREF#4620  -  []  602.77 267.02 0 top
NOREF#4621  -  []  269.07 436.97 90 top
NOREF#4622  -  []  345.89 138.61 0 top
NOREF#4623  -  []  593.59 201.81 0 top
NOREF#4624  -  []  272.29 144.84 0 top
NOREF#4625  -  []  675.41 295.92 0 top
NOREF#4626  -  []  510.41 424.48 0 top
NOREF#4627  -  []  285.69 211.43 90 top
NOREF#4628  -  []  686.33 330.2 90 top
NOREF#4629  -  []  376.81 213.31 0 top
NOREF#4630  -  []  595.19 206.63 0 top
NOREF#4631  -  []  600.81 273.01 0 top
NOREF#4632  -  []  408.89 201.03 0 top
NOREF#4633  -  []  683.79 340.36 90 top
NOREF#4634  -  []  603.61 277.3 90 top
NOREF#4635  -  []  430.5 219.17 0 top
NOREF#4636  -  []  88.57 264.62 0 top
NOREF#4637  -  []  85.79 204.23 0 top
NOREF#4638  -  []  559.16 309.88 0 top
NOREF#4639  -  []  87.82 322.4 90 top
NOREF#4640  -  []  157.11 286.01 0 top
NOREF#4641  -  []  520.41 31.37 90 top
NOREF#4642  -  []  534.65 433.7 0 top
NOREF#4643  -  []  591.68 149.86 90 top
NOREF#4644  -  []  358.42 41.32 90 top
NOREF#4645  -  []  358.37 36.88 0 top
NOREF#4646  -  []  4.26 94.87 0 top
NOREF#4647  -  []  406.47 208.25 90 top
NOREF#4648  -  []  402.47 269.83 90 top
NOREF#4649  -  []  217.06 36.11 0 top
NOREF#4650  -  []  406.1 264.6 90 top
NOREF#4651  -  []  67.4 186.22 0 top
NOREF#4652  -  []  279.27 211.45 90 top
NOREF#4653  -  []  440.71 32.38 90 top
NOREF#4654  -  []  404.87 265.83 90 top
NOREF#4655  -  []  447.76 431.58 90 top
NOREF#4656  -  []  629.71 256.98 0 top
NOREF#4657  -  []  188.85 228.77 0 top
NOREF#4658  -  []  574.53 314.58 0 top
NOREF#4659  -  []  408.07 203.45 90 top
NOREF#4660  -  []  358.53 263.62 0 top
NOREF#4661  -  []  384.53 378.54 0 top
NOREF#4662  -  []  106.09 207.35 90 top
NOREF#4663  -  []  291.7 271.79 90 top
NOREF#4664  -  []  90.97 130.38 0 top
NOREF#4665  -  []  587.66 263.5 90 top
NOREF#4666  -  []  601.59 201.03 90 top
NOREF#4667  -  []  491.74 449.83 90 top
NOREF#4668  -  []  43.58 466.51 90 top
NOREF#4669  -  []  88.19 271.41 0 top
NOREF#4670  -  []  91.37 258.65 90 top
NOREF#4671  -  []  405.69 271.43 90 top
NOREF#4672  -  []  94.98 289.44 90 top
NOREF#4673  -  []  287.9 254.36 90 top
NOREF#4674  -  []  104.26 229.19 90 top
NOREF#4675  -  []  578 268.22 0 top
NOREF#4676  -  []  481.04 418.84 90 top
NOREF#4677  -  []  631.5 149.92 90 top
NOREF#4678  -  []  94.57 204.25 90 top
NOREF#4679  -  []  165.51 438.45 90 top
NOREF#4680  -  []  289.69 203.43 90 top
NOREF#4681  -  []  92.19 207.43 90 top
NOREF#4682  -  []  411.29 267.45 90 top
NOREF#4683  -  []  599.99 206.63 90 top
NOREF#4684  -  []  400.89 199.43 0 top
NOREF#4685  -  []  356.58 229.54 0 top
NOREF#4686  -  []  404.5 211 90 top
NOREF#4687  -  []  288.87 272.23 90 top
NOREF#4688  -  []  256.81 213.31 0 top
NOREF#4689  -  []  24.75 423.7 0 top
NOREF#4690  -  []  647.13 69.61 90 top
NOREF#4691  -  []  287.31 204.21 0 top
NOREF#4692  -  []  412.59 188.81 90 top
NOREF#4693  -  []  683.79 325.12 90 top
NOREF#4694  -  []  436.51 288.77 0 top
NOREF#4695  -  []  259.98 49.56 90 top
NOREF#4696  -  []  286.49 211.43 90 top
NOREF#4697  -  []  406.07 212.62 0 top
NOREF#4698  -  []  286.48 42.73 90 top
NOREF#4699  -  []  249.25 434.85 90 top
NOREF#4700  -  []  415.12 426.36 0 top
NOREF#4701  -  []  609.08 214.92 0 top
NOREF#4702  -  []  605.2 212.62 90 top
NOREF#4703  -  []  510.14 47.62 90 top
NOREF#4704  -  []  141.16 427.5 90 top
NOREF#4705  -  []  257.77 96.61 90 top
NOREF#4706  -  []  612.63 332.36 90 top
NOREF#4707  -  []  58.29 168.38 0 top
NOREF#4708  -  []  439.11 280.64 0 top
NOREF#4709  -  []  604.38 316.87 90 top
NOREF#4710  -  []  404.07 209.85 90 top
NOREF#4711  -  []  88.88 289.44 90 top
NOREF#4712  -  []  412.11 207.43 0 top
NOREF#4713  -  []  228.75 378.54 0 top
NOREF#4714  -  []  88.21 261.81 0 top
NOREF#4715  -  []  404.87 259.45 90 top
NOREF#4716  -  []  595.19 212.21 0 top
NOREF#4717  -  []  410.1 260.59 90 top
NOREF#4718  -  []  16.65 151.38 90 top
NOREF#4719  -  []  404.47 265.42 0 top
NOREF#4720  -  []  88.19 205.05 90 top
NOREF#4721  -  []  602 205.4 90 top
NOREF#4722  -  []  592.37 269.42 0 top
NOREF#4723  -  []  231.09 39.2 90 top
NOREF#4724  -  []  670.26 275.28 0 top
NOREF#4725  -  []  586.66 182.91 0 top
NOREF#4726  -  []  -15.54 245.53 0 top
NOREF#4727  -  []  282.49 201.83 0 top
NOREF#4728  -  []  282.49 261.83 0 top
NOREF#4729  -  []  71.92 150.04 90 top
NOREF#4730  -  []  600.01 201.81 0 top
NOREF#4731  -  []  102.23 290.41 90 top
NOREF#4732  -  []  54.32 182.6 0 top
NOREF#4733  -  []  506.73 426.39 0 top
NOREF#4734  -  []  514.03 263.68 0 top
NOREF#4735  -  []  272.35 179.12 90 top
NOREF#4736  -  []  175.84 27.91 0 top
NOREF#4737  -  []  207.73 330.54 90 top
NOREF#4738  -  []  269.97 431.58 90 top
NOREF#4739  -  []  325.3 274.68 90 top
NOREF#4740  -  []  326.57 205.1 0 top
NOREF#4741  -  []  142.8 207.63 0 top
NOREF#4742  -  []  458.29 444.45 0 top
NOREF#4743  -  []  380.1 226.22 0 top
NOREF#4744  -  []  349.89 96.61 90 top
NOREF#4745  -  []  104.59 230.11 0 top
NOREF#4746  -  []  92.17 209.85 90 top
NOREF#4747  -  []  447.2 326.54 90 top
NOREF#4748  -  []  4.29 215.18 0 top
NOREF#4749  -  []  292.47 202.22 0 top
NOREF#4750  -  []  279.31 205.01 0 top
NOREF#4751  -  []  -11.44 47.55 0 top
NOREF#4752  -  []  150.3 131.22 90 top
NOREF#4753  -  []  85.4 199.02 90 top
NOREF#4754  -  []  540.3 131.22 90 top
NOREF#4755  -  []  408.69 286.19 0 top
NOREF#4756  -  []  370.03 265.91 90 top
NOREF#4757  -  []  384.85 436.97 90 top
NOREF#4758  -  []  591.57 210.22 0 top
NOREF#4759  -  []  448.27 416.31 90 top
NOREF#4760  -  []  172.62 25.78 90 top
NOREF#4761  -  []  590.8 273.42 0 top
NOREF#4762  -  []  545.27 22.23 0 top
NOREF#4763  -  []  87.82 346.56 0 top
NOREF#4764  -  []  404.09 269.03 0 top
NOREF#4765  -  []  256.81 266.2 0 top
NOREF#4766  -  []  35.42 147.95 0 top
NOREF#4767  -  []  280.66 40.93 0 top
NOREF#4768  -  []  440.32 220.64 0 top
NOREF#4769  -  []  598.8 204.6 90 top
NOREF#4770  -  []  99.39 202.61 0 top
NOREF#4771  -  []  99.39 267.41 0 top
NOREF#4772  -  []  187.6 443.92 0 top
NOREF#4773  -  []  87.5 229.46 90 top
NOREF#4774  -  []  416.45 263.55 90 top
NOREF#4775  -  []  337.16 28.19 90 top
NOREF#4776  -  []  21.31 406.27 90 top
NOREF#4777  -  []  95.61 160.02 90 top
NOREF#4778  -  []  598 268.6 90 top
NOREF#4779  -  []  402.1 200.59 90 top
NOREF#4780  -  []  156.42 240.39 0 top
NOREF#4781  -  []  334.02 50.42 90 top
NOREF#4782  -  []  410.24 185.98 90 top
NOREF#4783  -  []  248.78 425.56 0 top
NOREF#4784  -  []  399.83 433.64 90 top
NOREF#4785  -  []  468.93 37.13 90 top
NOREF#4786  -  []  89.4 258.19 90 top
NOREF#4787  -  []  328.31 426.39 0 top
NOREF#4788  -  []  586.33 242.01 90 top
NOREF#4789  -  []  282.47 209.83 90 top
NOREF#4790  -  []  351.22 433.78 90 top
NOREF#4791  -  []  256.57 183.26 90 top
NOREF#4792  -  []  92.6 265.39 90 top
NOREF#4793  -  []  399.29 271.45 90 top
NOREF#4794  -  []  404.34 285.56 90 top
NOREF#4795  -  []  412.09 208.21 0 top
NOREF#4796  -  []  265.96 275.24 90 top
NOREF#4797  -  []  86.22 136.91 90 top
NOREF#4798  -  []  682.83 190.12 90 top
NOREF#4799  -  []  344.82 19.6 0 top
NOREF#4800  -  []  387.22 431.58 90 top
NOREF#4801  -  []  285.69 204.25 90 top
NOREF#4802  -  []  349.55 43.03 0 top
NOREF#4803  -  []  70.21 160.02 90 top
NOREF#4804  -  []  633.37 218.02 90 top
NOREF#4805  -  []  289.71 209.03 0 top
NOREF#4806  -  []  291.7 211.8 90 top
NOREF#4807  -  []  623.43 338.45 90 top
NOREF#4808  -  []  173.74 425.5 0 top
NOREF#4809  -  []  95.57 285.76 90 top
NOREF#4810  -  []  99.39 261.81 0 top
NOREF#4811  -  []  586.01 242.9 0 top
NOREF#4812  -  []  407.31 267.43 0 top
NOREF#4813  -  []  597.59 204.25 90 top
NOREF#4814  -  []  357.78 211.24 0 top
NOREF#4815  -  []  378.2 219.17 0 top
NOREF#4816  -  []  88.21 207.41 0 top
NOREF#4817  -  []  85.4 259.02 90 top
NOREF#4818  -  []  408.09 203.43 90 top
NOREF#4819  -  []  604.01 213.83 0 top
NOREF#4820  -  []  622.83 219.93 0 top
NOREF#4821  -  []  603.99 267.45 90 top
NOREF#4822  -  []  609.08 273.32 90 top
NOREF#4823  -  []  440.01 278.93 0 top
NOREF#4824  -  []  173.46 36.63 90 top
NOREF#4825  -  []  67.4 246.22 0 top
NOREF#4826  -  []  284.47 266.22 0 top
NOREF#4827  -  []  529.78 185.39 0 top
NOREF#4828  -  []  361.71 444.8 90 top
NOREF#4829  -  []  118.18 29.42 0 top
NOREF#4830  -  []  519.43 231.97 0 top
NOREF#4831  -  []  289.3 260.59 90 top
NOREF#4832  -  []  404.47 207.82 0 top
NOREF#4833  -  []  277.69 219.4 90 top
NOREF#4834  -  []  279.31 265.01 0 top
NOREF#4835  -  []  276.81 220.37 90 top
NOREF#4836  -  []  56.94 216.31 0 top
NOREF#4837  -  []  602.39 262.65 90 top
NOREF#4838  -  []  153.22 237.19 90 top
NOREF#4839  -  []  290.48 438.24 90 top
NOREF#4840  -  []  334.78 45.97 90 top
NOREF#4841  -  []  297.83 32.26 0 top
NOREF#4842  -  []  405.69 265.85 90 top
NOREF#4843  -  []  288.89 203.43 90 top
NOREF#4844  -  []  601.59 209.83 90 top
NOREF#4845  -  []  402.49 267.45 90 top
NOREF#4846  -  []  97.37 263.82 0 top
NOREF#4847  -  []  605.59 213.03 90 top
NOREF#4848  -  []  682.83 146.3 90 top
NOREF#4849  -  []  403.29 264.23 90 top
NOREF#4850  -  []  401.27 268.62 0 top
NOREF#4851  -  []  283.29 204.23 90 top
NOREF#4852  -  []  60.05 198.5 0 top
NOREF#4853  -  []  406.32 195.14 0 top
NOREF#4854  -  []  296.81 59.33 315 top
NOREF#4855  -  []  399.67 271.82 0 top
NOREF#4856  -  []  542.4 424.45 90 top
NOREF#4857  -  []  282.47 271.43 90 top
NOREF#4858  -  []  599.19 266.63 90 top
NOREF#4859  -  []  378.17 55.76 90 top
NOREF#4860  -  []  628.81 261.37 0 top
NOREF#4861  -  []  595.57 209.42 0 top
NOREF#4862  -  []  599.21 259.41 0 top
NOREF#4863  -  []  54.32 242.6 0 top
NOREF#4864  -  []  409.71 268.23 0 top
NOREF#4865  -  []  440.32 224.7 0 top
NOREF#4866  -  []  345.5 415.37 0 top
NOREF#4867  -  []  515.33 31.37 90 top
NOREF#4868  -  []  194.25 222.56 90 top
NOREF#4869  -  []  56.39 216.76 0 top
NOREF#4870  -  []  432.77 425.56 0 top
NOREF#4871  -  []  528.13 237 0 top
NOREF#4872  -  []  494.78 420.16 90 top
NOREF#4873  -  []  263.26 21.33 0 top
NOREF#4874  -  []  606.37 203.43 90 top
NOREF#4875  -  []  79.65 179.12 90 top
NOREF#4876  -  []  593.97 269.42 0 top
NOREF#4877  -  []  443.2 378.54 0 top
NOREF#4878  -  []  283.24 283.88 0 top
NOREF#4879  -  []  291.27 269.03 90 top
NOREF#4880  -  []  366.23 205.67 0 top
NOREF#4881  -  []  411.29 207.45 90 top
NOREF#4882  -  []  602.59 242.01 90 top
NOREF#4883  -  []  224.48 42.73 90 top
NOREF#4884  -  []  291.27 211.43 90 top
NOREF#4885  -  []  679.31 273.77 0 top
NOREF#4886  -  []  478.59 454.84 315 top
NOREF#4887  -  []  592.37 207.02 0 top
NOREF#4888  -  []  333.26 27.56 0 top
NOREF#4889  -  []  410.07 269.42 0 top
NOREF#4890  -  []  593.62 278.2 90 top
NOREF#4891  -  []  359.73 271.24 0 top
NOREF#4892  -  []  88.19 265.01 0 top
NOREF#4893  -  []  240.52 284.66 0 top
NOREF#4894  -  []  596.79 209.81 0 top
NOREF#4895  -  []  284.11 207.43 0 top
NOREF#4896  -  []  286.9 263 90 top
NOREF#4897  -  []  281.75 223.21 90 top
NOREF#4898  -  []  612.63 336.17 0 top
NOREF#4899  -  []  282.47 210.63 90 top
NOREF#4900  -  []  410.1 211 90 top
NOREF#4901  -  []  404.87 265.03 90 top
NOREF#4902  -  []  253.61 266.2 0 top
NOREF#4903  -  []  592.79 206.65 90 top
NOREF#4904  -  []  235.4 270.11 90 top
NOREF#4905  -  []  111.62 316.87 90 top
NOREF#4906  -  []  398.1 259.02 90 top
NOREF#4907  -  []  86.17 208.62 0 top
NOREF#4908  -  []  468.26 432.64 90 top
NOREF#4909  -  []  412.09 211.41 0 top
NOREF#4910  -  []  97.01 270.63 0 top
NOREF#4911  -  []  412.09 212.23 90 top
NOREF#4912  -  []  278.1 199.02 90 top
NOREF#4913  -  []  495.84 44.55 0 top
NOREF#4914  -  []  617.08 136.27 90 top
NOREF#4915  -  []  508.72 28.83 0 top
NOREF#4916  -  []  286.07 267.82 0 top
NOREF#4917  -  []  588.37 182.01 90 top
NOREF#4918  -  []  408.5 203 90 top
NOREF#4919  -  []  440.02 280.31 0 top
NOREF#4920  -  []  173.01 272.9 0 top
NOREF#4921  -  []  309.25 142.61 90 top
NOREF#4922  -  []  73.52 159.77 90 top
NOREF#4923  -  []  62.72 335.53 0 top
NOREF#4924  -  []  362.71 209.57 90 top
NOREF#4925  -  []  92.39 230.11 0 top
NOREF#4926  -  []  16.37 413.38 0 top
NOREF#4927  -  []  12.6 391.36 0 top
NOREF#4928  -  []  416.18 144.61 0 top
NOREF#4929  -  []  284.07 209.85 90 top
NOREF#4930  -  []  284.06 438.04 0 top
NOREF#4931  -  []  51.24 155.66 0 top
NOREF#4932  -  []  436.71 144.84 0 top
NOREF#4933  -  []  578 328.22 0 top
NOREF#4934  -  []  88.19 204.25 90 top
NOREF#4935  -  []  338.69 43.18 0 top
NOREF#4936  -  []  24.7 11.57 0 top
NOREF#4937  -  []  504.4 28.57 90 top
NOREF#4938  -  []  89.77 203.43 90 top
NOREF#4939  -  []  599.21 264.21 0 top
NOREF#4940  -  []  159.54 222.56 0 top
NOREF#4941  -  []  121.35 266.82 90 top
NOREF#4942  -  []  291.29 269.05 90 top
NOREF#4943  -  []  1 387.55 0 top
NOREF#4944  -  []  403.7 271 90 top
NOREF#4945  -  []  602.8 271 90 top
NOREF#4946  -  []  56.94 276.31 0 top
NOREF#4947  -  []  123.93 47.77 0 top
NOREF#4948  -  []  406.92 37.13 90 top
NOREF#4949  -  []  409.69 263.43 90 top
NOREF#4950  -  []  71.92 153.24 0 top
NOREF#4951  -  []  81.36 258.12 90 top
NOREF#4952  -  []  673.94 147.57 0 top
NOREF#4953  -  []  410.07 209.42 0 top
NOREF#4954  -  []  678.41 245.12 0 top
NOREF#4955  -  []  100.52 230.11 0 top
NOREF#4956  -  []  346.15 201.6 0 top
NOREF#4957  -  []  573.39 312.42 90 top
NOREF#4958  -  []  329.22 250.8 90 top
NOREF#4959  -  []  283.29 270.63 0 top
NOREF#4960  -  []  413.1 221.84 0 top
NOREF#4961  -  []  516.12 443.53 90 top
NOREF#4962  -  []  4.29 285.03 0 top
NOREF#4963  -  []  437.4 228.44 90 top
NOREF#4964  -  []  139.3 57.02 0 top
NOREF#4965  -  []  399.7 266.2 90 top
NOREF#4966  -  []  328.94 34.54 90 top
NOREF#4967  -  []  231.99 184.58 0 top
NOREF#4968  -  []  98.76 217.99 90 top
NOREF#4969  -  []  85.81 272.23 0 top
NOREF#4970  -  []  408.09 201.03 0 top
NOREF#4971  -  []  208.21 286.06 0 top
NOREF#4972  -  []  167.92 425.5 0 top
NOREF#4973  -  []  601.17 209.42 0 top
NOREF#4974  -  []  330.29 193.65 90 top
NOREF#4975  -  []  2.21 226.48 90 top
NOREF#4976  -  []  349.55 39.83 90 top
NOREF#4977  -  []  581.81 269.48 90 top
NOREF#4978  -  []  392.3 193.22 90 top
NOREF#4979  -  []  407.29 268.21 0 top
NOREF#4980  -  []  661.31 287.4 0 top
NOREF#4981  -  []  442.21 21.33 0 top
NOREF#4982  -  []  268.15 249.07 90 top
NOREF#4983  -  []  600.88 181.71 90 top
NOREF#4984  -  []  397.71 272.23 0 top
NOREF#4985  -  []  284.5 260.59 90 top
NOREF#4986  -  []  413.17 281.66 0 top
NOREF#4987  -  []  96.17 207.45 90 top
NOREF#4988  -  []  228.47 438.24 90 top
NOREF#4989  -  []  111.14 212.87 90 top
NOREF#4990  -  []  94.17 211.82 0 top
NOREF#4991  -  []  288.07 198.65 90 top
NOREF#4992  -  []  631.5 158.23 90 top
NOREF#4993  -  []  279.67 210.22 0 top
NOREF#4994  -  []  406.9 200.59 90 top
NOREF#4995  -  []  440.02 284.38 0 top
NOREF#4996  -  []  400.89 271.41 0 top
NOREF#4997  -  []  594.77 266.22 0 top
NOREF#4998  -  []  406.1 263 90 top
NOREF#4999  -  []  285.71 264.21 0 top
NOREF#5000  -  []  596.49 182.01 90 top
NOREF#5001  -  []  435.3 218.61 0 top
NOREF#5002  -  []  277.69 272.23 0 top
NOREF#5003  -  []  347.8 203 0 top
NOREF#5004  -  []  184.37 260.48 0 top
NOREF#5005  -  []  111.14 272.87 90 top
NOREF#5006  -  []  275.11 280.07 0 top
NOREF#5007  -  []  441.21 282.34 90 top
NOREF#5008  -  []  89.37 267.02 0 top
NOREF#5009  -  []  232.2 263 0 top
NOREF#5010  -  []  142.45 207.7 0 top
NOREF#5011  -  []  406.9 271 90 top
NOREF#5012  -  []  461.09 43.68 0 top
NOREF#5013  -  []  406.49 281.84 0 top
NOREF#5014  -  []  216.64 43.68 0 top
NOREF#5015  -  []  586.33 182.01 90 top
NOREF#5016  -  []  634.88 256.03 90 top
NOREF#5017  -  []  592.01 268.23 0 top
NOREF#5018  -  []  608.03 275.17 0 top
NOREF#5019  -  []  245.04 269.93 90 top
NOREF#5020  -  []  318.15 28.45 90 top
NOREF#5021  -  []  410.87 211.02 0 top
NOREF#5022  -  []  8.31 49.29 90 top
NOREF#5023  -  []  660.26 147.95 0 top
NOREF#5024  -  []  605.57 265.83 90 top
NOREF#5025  -  []  597.57 203.43 90 top
NOREF#5026  -  []  278.34 219.42 90 top
NOREF#5027  -  []  18.92 446.05 0 top
NOREF#5028  -  []  284.5 211 90 top
NOREF#5029  -  []  592.79 269.05 90 top
NOREF#5030  -  []  514.03 272.9 90 top
NOREF#5031  -  []  412.59 248.81 90 top
NOREF#5032  -  []  440.32 222.67 0 top
NOREF#5033  -  []  700.31 279.4 0 top
NOREF#5034  -  []  105.97 290.09 0 top
NOREF#5035  -  []  441.22 223.73 90 top
NOREF#5036  -  []  111.62 150.5 90 top
NOREF#5037  -  []  49.95 405.28 90 top
NOREF#5038  -  []  310.22 43.28 0 top
NOREF#5039  -  []  173.63 443.92 90 top
NOREF#5040  -  []  333.26 43.43 0 top
NOREF#5041  -  []  3.19 176.66 90 top
NOREF#5042  -  []  592.37 202.22 0 top
NOREF#5043  -  []  226.75 144.61 0 top
NOREF#5044  -  []  503.77 45.59 90 top
NOREF#5045  -  []  336.67 275.33 90 top
NOREF#5046  -  []  488.53 33.53 0 top
NOREF#5047  -  []  603.19 199.43 0 top
NOREF#5048  -  []  632.68 261.19 90 top
NOREF#5049  -  []  600.79 203.43 90 top
NOREF#5050  -  []  402.07 207.02 0 top
NOREF#5051  -  []  289.71 201.81 0 top
NOREF#5052  -  []  89.4 198.19 90 top
NOREF#5053  -  []  598.41 264.21 0 top
NOREF#5054  -  []  536.68 46.5 90 top
NOREF#5055  -  []  354.63 39.83 90 top
NOREF#5056  -  []  113.2 257.88 90 top
NOREF#5057  -  []  95.39 201.85 90 top
NOREF#5058  -  []  86.61 210.61 0 top
NOREF#5059  -  []  605.57 269.85 90 top
NOREF#5060  -  []  62.72 310.77 90 top
NOREF#5061  -  []  307.99 28.45 90 top
NOREF#5062  -  []  91.8 265.39 90 top
NOREF#5063  -  []  -27.99 320.81 90 top
NOREF#5064  -  []  285.69 205.05 90 top
NOREF#5065  -  []  209.06 446.33 0 top
NOREF#5066  -  []  404.89 212.25 90 top
NOREF#5067  -  []  318.02 27.56 0 top
NOREF#5068  -  []  278.85 282.96 90 top
NOREF#5069  -  []  257.73 55.76 90 top
NOREF#5070  -  []  279.31 203.41 0 top
NOREF#5071  -  []  88.6 211 90 top
NOREF#5072  -  []  238.53 209.14 90 top
NOREF#5073  -  []  98.59 209.85 90 top
NOREF#5074  -  []  -13.71 271.4 0 top
NOREF#5075  -  []  595.17 198.65 90 top
NOREF#5076  -  []  370.03 205.92 90 top
NOREF#5077  -  []  325.24 263.25 90 top
NOREF#5078  -  []  287.29 269.03 0 top
NOREF#5079  -  []  598.2 242.9 0 top
NOREF#5080  -  []  413.54 39.2 90 top
NOREF#5081  -  []  176.21 260.48 90 top
NOREF#5082  -  []  610.95 233.32 0 top
NOREF#5083  -  []  360.41 414.58 90 top
NOREF#5084  -  []  491.24 378.54 0 top
NOREF#5085  -  []  279.72 283.21 90 top
NOREF#5086  -  []  412.87 201.05 90 top
NOREF#5087  -  []  543.03 46.5 90 top
NOREF#5088  -  []  404.89 267.45 90 top
NOREF#5089  -  []  88.57 205.42 0 top
NOREF#5090  -  []  411.27 268.23 90 top
NOREF#5091  -  []  629.71 196.98 0 top
NOREF#5092  -  []  106.29 289.19 90 top
NOREF#5093  -  []  280.91 268.23 0 top
NOREF#5094  -  []  449.23 431.58 90 top
